# Allegro board CATALYST_NOZZLE_V1_2601.brd
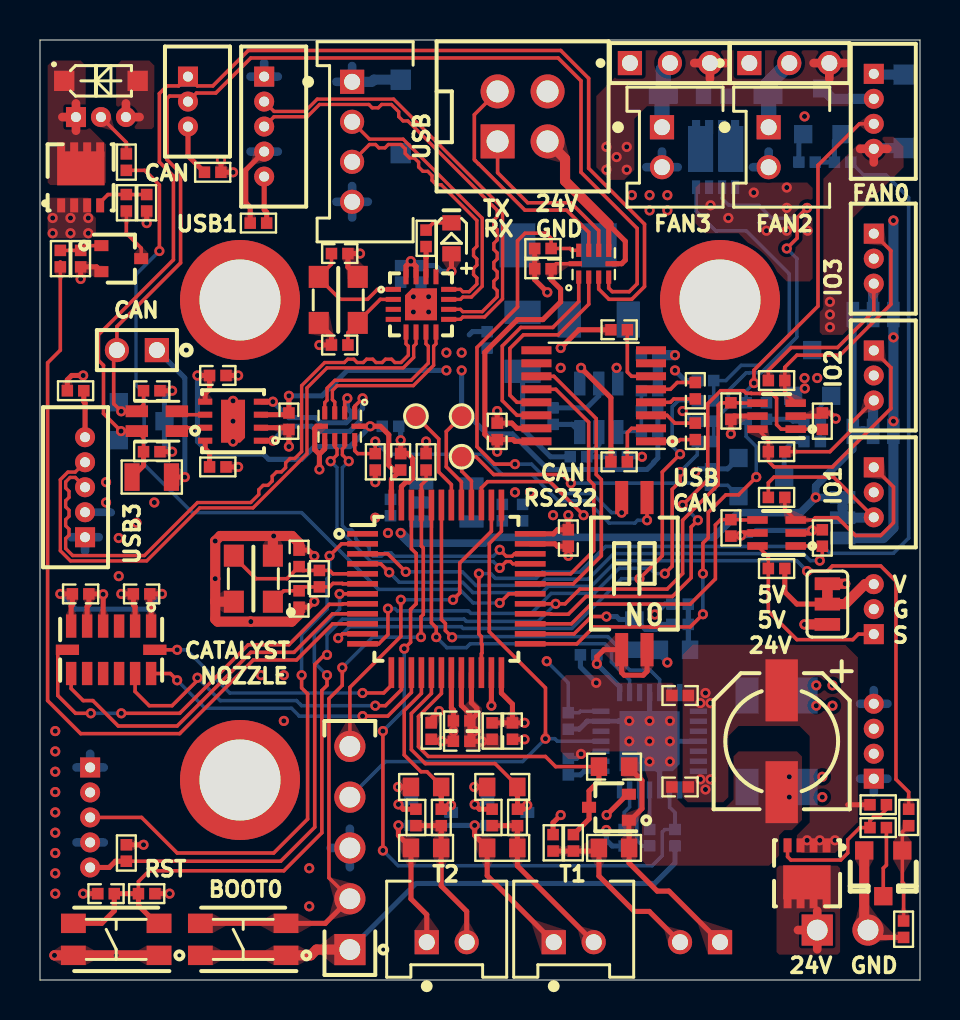
[diagram p0: board, top side]
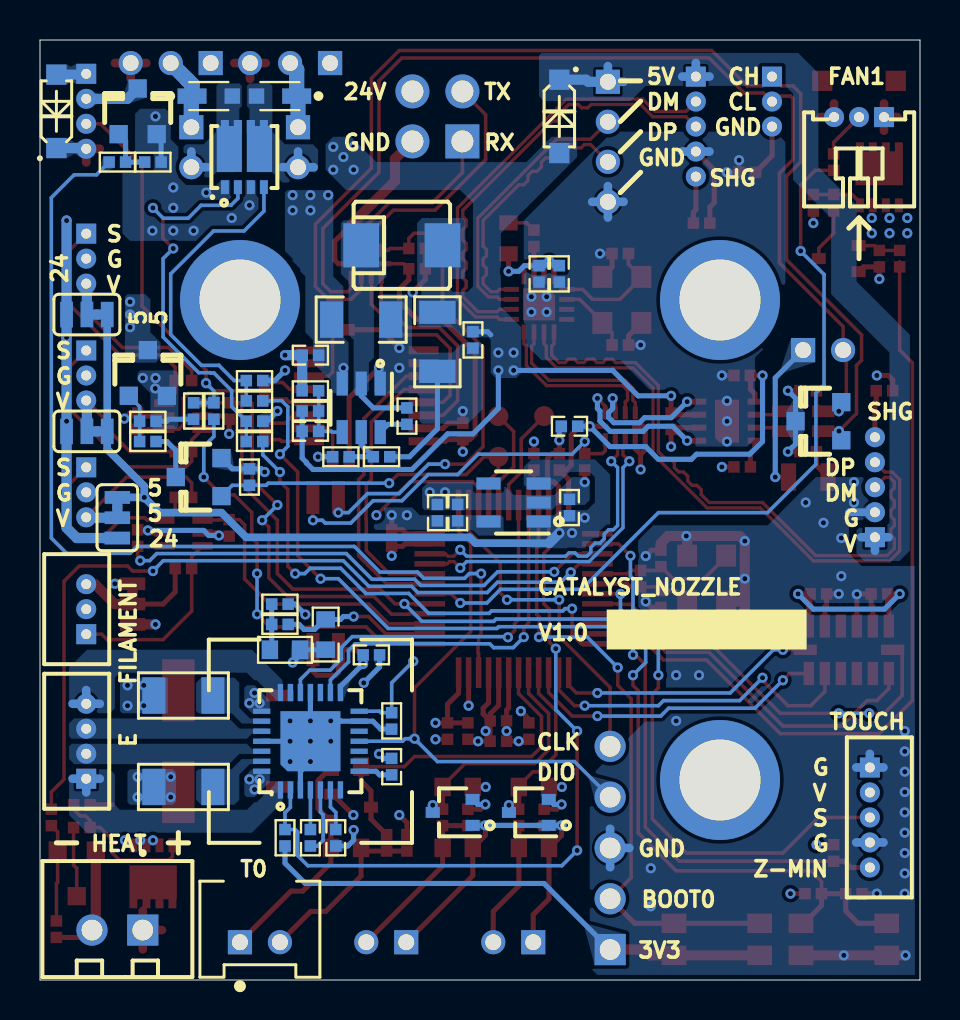
[diagram p1: board, bottom side, seen from below]

Outline 44 x 47 mm; copper layers: TOP, ART02, ART03, BOTTOM. Coordinates in mm from the lower left corner of the outline.
Outline path: 0,47 0,0 44,0 44,47 0,47

## Design rules (mm)
constraint set DEFAULT: min track width 0.178
net group DP1: nets DMU DPU
net group DP2: nets DM1 DP1
net group DP3: nets N00145 N00161
net group DP4: nets DM3 DP3
net group DP5: nets DM2 DP2

## Placement (name value [footprint] x y rotation side)
C1  100nF  [C0402]  25.65 28.19 90 bottom
C2  100nF  [C0402]  22.86 27.43 90 top
C3  NC  [C0402]  30.48 27.43 180 bottom
C4  10uF/35V  [C1206]  27.94 33.02 180 bottom
C5  100nF  [C0402]  28.96 25.91 180 top
C6  100nF  [C0402]  30.48 31.24 0 bottom
C7  47uF/6.3V  [C1206]  24.13 31.91 270 bottom
C8  100nF  [C0402]  22.35 32 270 bottom
C9  100nF  [C0402]  32.77 27.43 90 top
C10  100nF  [C0402]  28.96 32.51 180 top
C11  100nF  [C0402]  32.77 29.46 90 top
C12  10uF  [C0402]  17.53 23.62 90 bottom
C13  10uF  [C0402]  23.11 23.37 90 bottom
C14  100nF  [C0402]  24.13 23.37 90 bottom
C15  100nF  [C0402]  12.45 27.94 270 top
C16  100nF  [C0402]  8.89 30.23 0 top
C17  100pF  [C0402]  5.59 26.42 0 top
C18  100pF  [C0402]  5.59 29.46 0 top
C19  10uF  [C0402]  18.03 35.31 270 bottom
C20  100nF  [C0402]  19.05 35.31 270 bottom
C21  100nF  [C0402]  17.53 27.69 0 bottom
C22  12pF  [C0402]  14.99 36.32 0 top
C23  12pF  [C0402]  14.99 31.75 180 top
C24  100nF  [C0402]  2.03 19.3 0 top
C25  100nF  [C0402]  5.08 19.3 180 top
C26  100nF  [C0402]  3.3 4.32 180 top
C27  100nF  [C0402]  23.62 12.45 270 top
C28  100nF  [C0402]  26.42 22.1 270 top
C29  100nF  [C0402]  18.03 25.91 90 top
C30  100nF  [C0402]  21.08 12.95 180 top
C31  100nF  [C0402]  21.08 11.94 180 top
C32  10uF  [C0603]  29.72 17.27 270 bottom
C33  12pF  [C0402]  12.95 21.08 90 top
C34  12pF  [C0402]  12.95 19.05 270 top
C35  100nF  [C0402]  29.21 7.11 90 bottom
C36  100nF  [C0402]  32 9.65 180 top
C37  100nF  [C0402]  32 14.22 180 top
C38  100uF/35V  [CAPAE660X550DD200L250N]  37.08 11.94 270 top
C39  22nF  [C0402]  30.48 7.11 270 bottom
C40  4.7uF/6.3V  [C0402]  26.42 10.67 90 bottom
C41  100nF  [C0402]  27.43 16.26 180 bottom
C42  10uF  [C0603]  28.7 10.67 0 top
C43  10uF  [C0603]  23.11 9.65 180 top
C44  10uF  [C0603]  19.3 9.65 180 top
C45  100nF  [C0402]  25.15 35.56 180 top
D2  NUP2105LT1G  [SOT23]  5.08 27.94 90 bottom
D3  LED  [LED0603]  20.57 37.08 270 top
D4  SS14  [SOD123]  3.05 44.96 0 top
D5  SDB13LHT  [SOD-323HE]  35.56 44.2 180 bottom
D6  BAT54S  [SC-70_SOT323]  28.45 8.64 90 top
D8  BAT54S  [SC-70_SOT323]  23.37 8.38 90 bottom
D9  SDB13LHT  [SOD-323HE]  32 44.2 0 bottom
D11  BAT54S  [SC-70_SOT323]  19.56 8.38 90 bottom
D12  DIODE SCHOTTKY  [SOD123]  18.03 43.18 270 bottom
D13  SS14  [SOD123]  43.18 43.43 90 bottom
FB1  FB  [R0402]  1.78 29.46 0 top
FB2  FB  [R0402]  22.61 12.45 270 top
FB3  FB  [R0402]  19.56 12.45 270 top
FB4  FB  [R0402]  8.64 40.39 180 top
FB5  FB  [R0402]  10.92 37.85 0 top
J1  CON4  [HC-XHD254-2X2A]  22.88 44.43 270 top
J3  header_2  [PH200_HEADER_1X2]  5.84 31.5 180 top
J4  CON_4  [PH200_B4B-PH-K-S]  16.26 41.91 270 top
J6  header_5  [PH_HEADER-5X1_254P]  15.49 1.52 90 top
J8  CON4  [A1251WV_4P]  41.69 45.31 270 top
J9  CON3  [HC-125-3AW]  3.05 40.86 0 bottom
J10  JSTXH_2P  [XH254-2A]  38.86 2.5 0 bottom
J11  CON3  [A1251WV_3P]  41.69 17.29 90 bottom
J12  JSTXH_2P  [PH200_B2B-PH-K-S]  37.08 40.64 270 top
J13  JSTXH 2-R  [PH200_B2B-PH-K-S]  32 2.54 180 bottom
J14  CON3  [A1251WV_3P]  41.69 25.63 270 top
J15  JSTXH 2-R  [PH200_B2B-PH-K-S]  27.69 2.54 0 top
J16  JSTXH_2P  [PH200_B2B-PH-K-S]  31.75 40.64 270 top
J17  CON3  [A1251WV_3P]  41.69 31.48 270 top
J18  CON3  [A1251WV_3P]  41.69 37.32 270 top
J19  JSTXH 2-R  [PH200_B2B-PH-K-S]  21.34 2.54 0 top
J20  CON5  [A1251WV_5P]  2.51 10.63 270 bottom
J21  CON3  [A1251WV_3P]  7.4 45.17 270 top
J22  CON5  [A1251WV_5P]  2.25 22.14 90 top
J23  CON5  [A1251WV_5P]  11.21 45.17 270 top
J24  CON4  [A1251WV_4P]  41.69 10.06 90 bottom
J25  header_3  [PH200_HEADER_1X3]  35.47 45.85 0 top
J26  header_3  [PH200_HEADER_1X3]  29.5 45.85 0 top
JP1  JP_3  [AD-JUMPER-3-2OF3_NC_BY_PASTE3]  39.37 18.8 270 top
JP2  JP_3  [AD-JUMPER-3-2OF3_NC_BY_PASTE3]  40.13 23.11 270 bottom
JP3  JP_3  [AD-JUMPER-3-2OF3_NC_BY_PASTE3]  41.66 27.43 0 bottom
JP4  JP_3  [AD-JUMPER-3-2OF3_NC_BY_PASTE3]  41.66 33.27 0 bottom
L1  10uH/3.5A  [INDM_CKST0402]  25.91 36.74 180 bottom
L2  120R/100MHz  [INDS_ACM2012]  5.84 27.94 180 top
M1  -  [MTGP600H405]  10 34 0 top
M2  -  [MTGP600H405]  10 10 0 top
M3  -  [MTGP600H405]  34 34 0 top
N1  SHORT  [SHORT_W50]  39.37 19.3 90 top
N2  SHORT  [SHORT_W50]  40.13 23.62 90 bottom
N3  SHORT  [SHORT_W50]  41.15 27.43 180 bottom
N4  SHORT  [SHORT_W50]  41.15 33.27 180 bottom
NOREF  -  []  0 0 90 top
NOREF#2  -  []  0 47 0 top
NOREF#3  -  []  15.67 16.53 180 bottom
Q1  60P03  [DFN-8_065P330X330X110]  2.03 40.13 0 top
Q2  2N7002  [SC-70_SOT323]  4.06 36.07 270 top
Q3  60P03  [DFN-8_065P330X330X110]  38.35 5.33 180 top
Q4  BC817  [SOT23]  42.16 5.33 180 top
Q5  2N7002  [SOT23]  39.12 43.43 180 bottom
Q6  2N7002DW  [SOT363]  36.83 22.35 90 top
Q8  2N7002DW  [SOT363]  36.83 28.19 90 top
Q9  WSD4066DN  [DFN310X330X312-8N]  33.78 41.15 90 bottom
Q10  AO3401  [SOT23]  38.61 30.35 180 bottom
Q11  2N7002  [SOT23]  36.07 25.15 90 bottom
R1  100K  [R0402]  28.96 26.16 0 bottom
R2  100K/1%  [R0402]  30.48 28.45 0 bottom
R3  10K  [R0402]  26.92 26.16 0 bottom
R4  13.3K1%  [R0402]  30.48 29.46 180 bottom
R5  120R  [R0805]  5.59 25.15 180 top
R6  10K  [R0402]  8.89 25.65 0 top
R7  10K  [R0402]  16.76 25.91 90 top
R8  1K  [R0402]  19.3 37.08 90 top
R9  10K  [R0402]  19.3 25.91 90 top
R10  10K  [R0402]  5.33 4.32 180 top
R11  4.7K/0.1%  [R0402]  32 18.8 0 bottom
R12  1K  [R0402]  32 17.78 180 bottom
R13  1M  [R0402]  13.97 20.07 90 top
R14  20K  [R0402]  31.75 7.11 90 bottom
R15  0.15R  [R1206]  36.83 9.65 0 bottom
R16  20K  [R0402]  26.42 12.95 90 bottom
R17  0.15R  [R1206]  36.83 14.22 0 bottom
R18  100K  [R0402]  5.33 38.86 90 top
R19  100K  [R0402]  36.32 28.45 90 bottom
R20  100R  [R0402]  4.32 38.86 90 top
R21  100R  [R0402]  1.02 36.07 90 top
R22  10K  [R0402]  41.91 7.62 0 top
R23  10K  [R0402]  35.31 28.45 90 bottom
R24  10K  [R0402]  2.03 36.07 90 top
R25  100R  [R0402]  43.43 8.13 90 top
R26  100R  [R0402]  40.13 40.89 180 bottom
R27  10K  [R0402]  43.18 2.54 90 top
R28  10K  [R0402]  38.35 40.89 180 bottom
R29  100R  [R0402]  4.32 40.89 90 top
R30  4.7K  [R0402]  39.12 22.1 270 top
R31  10K  [R0402]  36.83 20.57 0 top
R33  4.7K/0.1%  [R0402]  25.65 6.86 270 top
R34  1K  [R0402]  26.67 6.86 90 top
R35  100R  [R0402]  33.27 26.92 0 bottom
R36  10K  [R0402]  33.27 27.94 0 bottom
R37  4.7K  [R0402]  34.54 22.61 90 top
R38  10K  [R0402]  36.83 24.13 180 top
R39  4.7K/0.1%  [R0402]  22.61 8.13 270 top
R40  1K  [R0402]  23.88 8.13 90 top
R42  4.7K  [R0402]  39.12 27.94 270 top
R43  10K  [R0402]  36.83 26.42 0 top
R44  100R  [R0402]  33.27 28.96 0 bottom
R45  10K  [R0402]  33.27 29.97 0 bottom
R46  4.7K/0.1%  [R0402]  18.8 8.13 270 top
R47  4.7K  [R0402]  34.54 28.45 90 top
R48  10K  [R0402]  36.83 29.97 180 top
R49  10K  [R0402]  4.32 6.35 270 top
R50  1K  [R0402]  20.07 8.13 90 top
R51  10K  [R0402]  25.15 36.58 0 top
R52  100K  [R0402]  38.61 27.94 0 bottom
R53  100K  [R0402]  41.91 8.76 180 top
R54  75K  [R0402]  38.61 26.92 180 bottom
R55  10K  [R0402]  33.53 25.15 90 bottom
RV1  VSR  [R0603]  31.75 16.51 0 bottom
RV2  VSR  [R0603]  28.7 6.6 180 top
RV3  VSR  [R0603]  23.11 6.6 0 top
RV4  VSR  [R0603]  19.3 6.6 0 top
SW1  BOOT0  [KEY-IPTG26K_280X400X190-4N]  10.16 2.03 90 top
SW2  RST  [KEY-IPTG26K_280X400X190-4N]  3.81 2.03 90 top
SW3  SW DIP-2  [DIP-SWITCH-2N_127P_SMD]  29.72 20.32 180 top
T1  Tpoint  [TPPAD_SMD_C100]  21.08 26.16 270 top
T2  Tpoint  [TPPAD_SMD_C100]  21.08 28.19 270 top
T3  Tpoint  [TPPAD_SMD_C100]  18.8 28.19 270 top
U2  SP3232EEY  [TSSOP-16_65P640X500X120]  27.69 29.21 90 top
U3  ME6217C33M5G  [SOT23-5]  20.32 23.88 90 bottom
U5  TS3USB221  [UQFN-10_P50_200X150X60L35X22N]  14.99 27.69 270 top
U6  CH334P  [QFN-16_P50_300X300X80L40X23T-1]  19.05 33.78 270 top
U7  ADXL345  [LGA-14_P80_300X500X100_1]  3.56 16.51 270 top
U8  STM32G431CBT6  [LQFP-48_050P900X900X160]  20.32 19.56 270 top
U9  TMC2209  [QFN-28_50P500X500X90-TMC220X]  30.48 11.94 180 bottom
U10  TPS54302  [SOT23-6]  27.94 28.61 0 bottom
U11  TS3USB221  [UQFN-10_P50_200X150X60L35X22N]  27.69 35.81 90 top
U12  SIT1044QTK/3  [DFN-8_065P300X300X80_1]  9.65 27.94 90 top
Y1  12Mhz  [SMD3225]  14.91 34.01 90 top
Y2  12Mhz  [SMD3225]  10.67 20.07 90 top

## Library data of the parts
C1-C3 C5-C37 C39-C45 = C
C4 = CAP
C38 = CAP POL
D2 = TVS_3P
D3 = LED
D4 D5 D9 D13 = DIODE
D6 D8 D11 = BAT54S
D12 = DIODE SCHOTTKY
FB1-FB5 = FB
J1 = CON4_0
J3 = header_2
J4 = CON_4
J6 = header_5
J8 J24 = CON4
J9 J11 J14 J17 J18 J21 = CON3
J10 J12 J16 = JSTXH_2P
J13 J15 J19 = CONN MOD 4-2_J_1
J20 J22 J23 = CON5
J25 J26 = header_3
JP1-JP4 = JP_0
L1 = INDUCTOR
L2 = INDUCTOR_COMM_0
M1-M3 = HOLE_MTGP600H405_HOLE
N1-N4 = SHORT
Q1 Q3 = P_MOS_HSBB6115
Q2 Q5 Q11 = NMOS
Q4 = NPN
Q6 Q8 = N_MOSX2
Q9 = WSD4066DN
Q10 = PMOS
R1-R31 R33-R40 R42-R55 = R
RV1-RV4 = VSR
SW1 SW2 = TC_KEY_4P
SW3 = SW DIP-2_1
T1-T3 = Tpoint
U2 = RS-232 Transceivers
U3 = AP2112-3_0.3V
U5 U11 = USB_SWITCH
U6 = CH334P
U7 = ADXL345
U8 = STM32G431CBT6_LFQF-48
U9 = TMC220X
U10 = TPS54302
U12 = CAN_FD_SIT1044QTK/3
Y1 Y2 = CRYSTAL_4P

## Footprints (pads in the part's own frame, mm; a bottom-side part is the same pattern mirrored in y, then rotated)
A1251WV_3P
  rect 1.001x1.001 hole 0.5: 1(0,0)
  round 1.001 hole 0.5: 2(1.25,0) 3(2.499,0)
A1251WV_4P
  rect 1.001x1.001 hole 0.5: 1(0,0)
  round 1.001 hole 0.5: 2(1.25,0) 3(2.499,0) 4(3.749,0)
A1251WV_5P
  rect 1.001x1.001 hole 0.5: 1(0,0)
  round 1.001 hole 0.5: 2(1.25,0) 3(2.499,0) 4(3.749,0) 5(5.001,0)
AD-JUMPER-3-2OF3_NC_BY_PASTE3
  rect 0.635x1.27 smd: 1(-1.016,0) 2(0,0) 3(1.016,0)
C0402
  rect 0.574x0.579 smd: 1(-0.411,0) 2(0.411,0)
C0603
  rect 0.82x0.93 smd: 1(-0.754,0) 2(0.754,0)
C1206
  rect 1.161x1.821 smd: 1(-1.476,0) 2(1.476,0)
CAPAE660X550DD200L250N
  rect 3.099x1.621 smd: 1(-2.545,0) 2(2.545,0)
DFN310X330X312-8N
  rect 0.691x0.399 smd: 1(-1.506,0.975) 2(-1.506,0.325) 3(-1.506,-0.325) 4(-1.506,-0.975) 6(1.506,-0.325) 7(1.506,0.325)
  custom 2.596x1.26 smd: 5(0.554,-0.754) 8(0.554,0.754)
DFN-8_065P300X300X80_1
  rect 0.3x0.711 smd: 1(-0.975,-1.394) 2(-0.325,-1.394) 3(0.325,-1.394) 4(0.975,-1.394) 5(0.975,1.394) 6(0.325,1.394) 7(-0.325,1.394) 8(-0.975,1.394)
  custom 2.149x1.199 smd: 9(0,0)
DFN-8_065P330X330X110
  rect 0.399x0.701 smd: 1(-0.975,-1.4) 2(-0.325,-1.4) 3(0.325,-1.4) 4(0.975,-1.4) 5(0.975,1.4) 6(0.325,1.4) 7(-0.325,1.4)
  custom 2.372x2.149 smd: 8(0.01,0.676)
DIP-SWITCH-2N_127P_SMD
  rect 0.65x1.659 smd: 1(-0.635,-3.802) 2(0.635,-3.802) 3(0.635,3.802) 4(-0.635,3.802)
HC-125-3AW
  rect 1.001x1.001 hole 0.5: 1(-1.25,-2.286)
  round 1.001 hole 0.5: 2(0,-2.286) 3(1.25,-2.286)
HC-XHD254-2X2A
  rect 1.699x1.699 hole 1.1: 1(2.499,0)
  round 1.699 hole 1.1: 2(2.499,2.499) 3(0,0) 4(0,2.499)
INDM_CKST0402
  rect 1.791x2.21 smd: 1(-2.035,0) 2(2.035,0)
INDS_ACM2012
  rect 1.12x0.589 smd: 1(-1.001,0.495) 2(1.001,0.495) 3(-1.001,-0.495) 4(1.001,-0.495)
KEY-IPTG26K_280X400X190-4N
  rect 0.97x1.24 smd: 1(-0.8,-2.141) 2(0.8,-2.141) 3(0.8,2.141) 4(-0.8,2.141)
LED0603
  rect 0.759x0.919 smd: 1(-0.775,0) 2(0.775,0)
LGA-14_P80_300X500X100_1
  rect 1.161x0.521 smd: 1(-1.186,1.999) 2(-1.186,1.199) 3(-1.186,0.399) 4(-1.186,-0.399) 5(-1.186,-1.199) 6(-1.186,-1.999) 8(1.186,-1.999) 9(1.186,-1.199) 10(1.186,-0.399) 11(1.186,0.399) 12(1.186,1.199) 13(1.186,1.999)
  rect 0.521x1.161 smd: 7(0,-2.184) 14(0,2.184)
LQFP-48_050P900X900X160
  rect 0.279x1.539 smd: 1(-2.751,-4.191) 2(-2.25,-4.191) 3(-1.75,-4.191) 4(-1.25,-4.191) 5(-0.749,-4.191) 6(-0.249,-4.191) 7(0.249,-4.191) 8(0.749,-4.191) 9(1.25,-4.191) 10(1.75,-4.191) 11(2.25,-4.191) 12(2.751,-4.191) 25(2.751,4.191) 26(2.25,4.191) 27(1.75,4.191) 28(1.25,4.191) 29(0.749,4.191) 30(0.249,4.191) 31(-0.249,4.191) 32(-0.749,4.191) 33(-1.25,4.191) 34(-1.75,4.191) 35(-2.25,4.191) 36(-2.751,4.191)
  rect 1.539x0.279 smd: 13(4.191,-2.751) 14(4.191,-2.25) 15(4.191,-1.75) 16(4.191,-1.25) 17(4.191,-0.749) 18(4.191,-0.249) 19(4.191,0.249) 20(4.191,0.749) 21(4.191,1.25) 22(4.191,1.75) 23(4.191,2.25) 24(4.191,2.751) 37(-4.191,2.751) 38(-4.191,2.25) 39(-4.191,1.75) 40(-4.191,1.25) 41(-4.191,0.749) 42(-4.191,0.249) 43(-4.191,-0.249) 44(-4.191,-0.749) 45(-4.191,-1.25) 46(-4.191,-1.75) 47(-4.191,-2.25) 48(-4.191,-2.751)
MTGP600H405
  round 5.999 hole 4.049: 1(0,0)
PH200_B2B-PH-K-S
  rect 1.209x1.209 hole 0.8: 1(-1.999,-0.65)
  round 1.209 hole 0.8: 2(0,-0.65)
PH200_B4B-PH-K-S
  rect 1.209x1.209 hole 0.8: 1(-3,-0.65)
  round 1.209 hole 0.8: 2(-1.001,-0.65) 3(1.001,-0.65) 4(3,-0.65)
PH200_HEADER_1X2
  rect 1.209x1.209 hole 0.8: 1(0,0)
  round 1.209 hole 0.8: 2(1.999,0)
PH200_HEADER_1X3
  rect 1.209x1.209 hole 0.8: 1(0,0)
  round 1.209 hole 0.8: 2(1.999,0) 3(4,0)
PH_HEADER-5X1_254P
  rect 1.56x1.56 hole 1.039: 1(0,0)
  round 1.56 hole 1.039: 2(2.54,0) 3(5.08,0) 4(7.62,0) 5(10.16,0)
QFN-16_P50_300X300X80L40X23T-1
  rect 0.249x0.759 smd: 1(-0.749,-1.384) 2(-0.249,-1.384) 3(0.249,-1.384) 4(0.749,-1.384) 9(0.749,1.384) 10(0.249,1.384) 11(-0.249,1.384) 12(-0.749,1.384)
  rect 0.759x0.249 smd: 5(1.384,-0.749) 6(1.384,-0.249) 7(1.384,0.249) 8(1.384,0.749) 13(-1.384,0.749) 14(-1.384,0.249) 15(-1.384,-0.249) 16(-1.384,-0.749)
  custom 1.6x1.6 smd: 17(0,0)
QFN-28_50P500X500X90-TMC220X
  rect 0.269x0.861 smd: 1(-1.501,-2.436) 2(-1.001,-2.436) 3(-0.5,-2.436) 4(0,-2.436) 5(0.5,-2.436) 6(1.001,-2.436) 7(1.501,-2.436) 15(1.501,2.436) 16(1.001,2.436) 17(0.5,2.436) 18(0,2.436) 19(-0.5,2.436) 20(-1.001,2.436) 21(-1.501,2.436)
  rect 0.861x0.269 smd: 8(2.436,-1.501) 9(2.436,-1.001) 10(2.436,-0.5) 11(2.436,0) 12(2.436,0.5) 13(2.436,1.001) 14(2.436,1.501) 22(-2.436,1.501) 23(-2.436,1.001) 24(-2.436,0.5) 25(-2.436,0) 26(-2.436,-0.5) 27(-2.436,-1.001) 28(-2.436,-1.501)
  custom 3.002x3.002 smd: 29(0,0)
R0402
  rect 0.574x0.579 smd: 1(-0.411,0) 2(0.411,0)
R0603
  rect 0.82x0.93 smd: 1(-0.754,0) 2(0.754,0)
R0805
  rect 0.759x1.379 smd: 1(-0.986,0) 2(0.986,0)
R1206
  rect 1.161x1.821 smd: 1(-1.476,0) 2(1.476,0)
SC-70_SOT323
  rect 0.551x0.701 smd: 1(-0.65,-0.996) 2(0.65,-0.996) 3(0,0.996)
SHORT_W50
  rect 0.5x0.5 smd: 1(-0.127,0) 2(0.127,0)
SMD3225
  rect 1.1x1.001 smd: 1(-1.151,-0.975) 2(1.151,-0.975) 3(1.151,0.975) 4(-1.151,0.975)
SOD123
  rect 1.016x1.016 smd: 1(-1.836,0) 2(1.836,0)
SOD-323HE
  rect 1.45x0.77 smd: 1(-0.838,0)
  rect 0.772x0.77 smd: 2(1.171,0)
SOT23
  rect 0.914x0.914 smd: 1(-0.953,-1.143) 2(0.953,-1.143) 3(0,1.143)
SOT23-5
  rect 0.61x1.209 smd: 1(-0.95,-1.255) 2(0,-1.255) 3(0.95,-1.255) 4(0.95,1.255) 5(-0.95,1.255)
SOT23-6
  rect 0.569x1.199 smd: 1(-0.95,-1.214) 2(0,-1.214) 3(0.95,-1.214) 4(0.95,1.214) 5(0,1.214) 6(-0.95,1.214)
SOT363
  rect 0.381x1.021 smd: 1(-0.65,-0.955) 2(0,-0.955) 3(0.65,-0.955) 4(0.65,0.955) 5(0,0.955) 6(-0.65,0.955)
TPPAD_SMD_C100
  round 1.001 smd: 1(0,0)
TSSOP-16_65P640X500X120
  rect 0.399x1.501 smd: 1(-2.276,-2.865) 2(-1.626,-2.865) 3(-0.975,-2.865) 4(-0.325,-2.865) 5(0.325,-2.865) 6(0.975,-2.865) 7(1.626,-2.865) 8(2.276,-2.865) 9(2.276,2.865) 10(1.626,2.865) 11(0.975,2.865) 12(0.325,2.865) 13(-0.325,2.865) 14(-0.975,2.865) 15(-1.626,2.865) 16(-2.276,2.865)
UQFN-10_P50_200X150X60L35X22N
  rect 0.66x0.257 smd: 1(-0.671,0.749) 2(-0.671,0.249) 3(-0.671,-0.249) 4(-0.671,-0.749) 6(0.671,-0.749) 7(0.671,-0.249) 8(0.671,0.249) 9(0.671,0.749)
  rect 0.257x0.66 smd: 5(0,-0.919) 10(0,0.919)
XH254-2A
  rect 1.56x1.56 hole 1.039: 1(0,0)
  round 1.56 hole 1.039: 2(2.54,0)

## Nets
3V3: C2.1 C13.1 C14.1 C16.1 C19.1 C20.1 C21.1 C24.1 C25.1 C27.1 C28.1 C29.1 C41.1 C45.1 D3.2 FB2.1 J6.1 Q6.2 Q6.5 Q8.2 Q8.5 R10.1 R14.1 R30.1 R37.1 R42.1 R47.1 R49.1 SW1.1 SW1.4 SW3.3(B2) SW3.4 U2.16(VCC) U3.5(OUT) U5.10(VCC) U6.15 U6.16 U7.1 U7.6(VS) U8.24 U8.36 U8.48 U9.15 U11.10(VCC) U12.5(VIO)
5VOUT: C40.1 U9.8
24V: C4.1 C6.1 C35.1 C36.1 C37.1 C38.1 J1.4 J25.1 J26.1 JP1.3 JP2.3 JP3.3 JP4.3 Q1.1 Q1.2 Q1.3(S3) Q3.1 Q3.2 Q3.3(S3) Q10.2 R1.2 R18.1 R19.1 R52.1 R53.2 U9.22 U9.28(VS_2) U10.3(VIN)
GND: C2.2 C4.2 C5.2 C6.2 C7.2 C8.2 C10.2 C12.2 C13.2 C14.2 C15.2 C16.2 C17.2 C18.2 C19.2 C20.2 C21.2 C22.2 C23.2 C24.2 C25.2 C26.2 C27.2 C28.2 C29.2 C33.2 C34.2 C36.2 C37.2 C38.2 C40.2 C41.2 C45.2 D2.3 D4.2 D13.2 FB1.1 FB3.1 FB4.1 FB5.1 J1.2 J4.4(A4) J6.3 J8.1 J9.3 J10.2 J11.2 J14.2 J17.2 J18.2 J20.1 J20.4 J22.2 J23.4 Q2.2 Q4.2(E) Q5.2 Q9.1 Q9.3(S2) Q11.2 R3.1 R4.1 R6.2 R7.1 R9.2 R15.2 R16.1 R17.2 R24.1 R27.1 R28.2 R36.1 R45.1 R51.1 R55.2 SW2.1 SW2.4 U2.15 U3.2 U5.5 U5.6 U6.17 U7.2 U7.4 U7.5 U8.23 U8.35 U8.47(VSS_3) U9.3 U9.13 U9.18 U9.25 U9.29 U10.1 U11.5 U11.6 U12.2 U12.9 Y1.2 Y1.4 Y2.2 Y2.4
VBUS: D12.1(CATHODE) J4.1 J22.1 J23.1
VDDA: C30.1 C31.1 D6.2(K) D8.2(K) D11.2(K) FB2.2 R11.1 R33.1 R39.1 R46.1 U8.20 U8.21
VSSA: C30.2 C31.2 C32.2 C42.2 C43.2 C44.2 D6.1 D8.1 D11.1 FB3.2 J13.1 J15.1 J19.1 RV1.1 RV2.1 RV3.1 RV4.1 U8.19
BOOT0: J6.2 R9.1 SW1.2 SW1.3 U8.45
CAN_RX: U5.2 U12.4
CAN_TX: U5.1 U12.1
CANH: C17.1 D2.1 J21.1 L2.2(4) R5.2 U11.3
CANL: C18.1 D2.2 J3.2 J21.2 L2.4 U11.4
DC_5V: C3.1 C7.1 C8.1 C12.1 C15.1 D12.2 J20.2 J25.3 J26.3 JP1.1 JP2.1 JP3.1 JP4.1 L1.2 N1.2(B) N2.2(B) N3.2(B) N4.2(B) R2.2 U3.1 U3.3 U12.3
DM1: J23.2 U6.9
DM2: U5.4 U6.7
DM3: J22.3 U6.5
DMU: J4.2 U6.11
DP1: J23.3 U6.10
DP2: U5.3 U6.8
DP3: J22.4 U6.6
DPU: J4.3 U6.12
FG: J8.3 R19.2 R23.2
MS1_AD0: U9.9
MS2_AD1: U9.10
OA1: J24.3 U9.24
OA2: J24.4 U9.21
OB1: J24.2 U9.26
OB2: J24.1 U9.1
OSC_IN: C33.1 R13.2 U8.5 Y2.3
OSC_OUT: C34.1 R13.1 U8.6 Y2.1
PA0_CS: U7.7 U8.8
PA1_INT: U7.8 U8.9
PA14: J6.5 U8.38
PANG: R8.1 U6.14
PWM: J8.2 Q5.3(3D)
R1IN: U2.13 U11.2
RX: J1.1 U11.7
SL1: R7.2 SW3.1 U5.9
SL2: R51.2 SW3.2 U11.9
SPI1_MISO: U7.12 U8.14
SPI1_MOSI: U7.13 U8.15
SPI1_SCK: U7.14 U8.13
SPI3_MISO: T2.1 U8.41
SPI3_MOSI: T3.1 U8.42
T1OUT: U2.14 U11.1
T_DR: C32.1 R12.2 U8.26
TX: J1.3 U11.8
XI: C23.1 U6.2 Y1.1
XO: C22.1 U6.1(XO) Y1.3
N00145: U5.7 U8.33
N00161: U5.8 U8.34
N00207: U2.11 U8.31
N00211: U2.12 U8.32
N00687: R14.2 U8.46 U9.2
N00693: U8.44 U9.16
N00699: U8.43 U9.19
N00703: R16.2 U8.39 U9.14
N00715: J6.4 U8.37 U9.11
N00855: C42.1 D6.3 R34.2 U8.18
N00961: C43.1 D8.3 R40.2 U8.17
N00967: C44.1 D11.3 R50.2 U8.16
N00973: R25.2 U8.4
N01005: Q6.1 R30.2 U8.3
N01009: Q6.4(S) R37.2 U8.27
N01013: Q8.1 R42.2 U8.28
N01023: J20.5 Q8.4(S) R47.2 R49.2 U8.29
N01029: R21.1 U8.10
N01033: R35.1 U8.12
N01037: R44.1 U8.11
N01047: J20.3 U8.2
N01059: R23.1 U8.25
N01063: R26.1 U8.22
N02435: R29.1 U8.30
N04404: Q11.1 R55.1 T1.1 U8.40
N439507: C35.2 U9.6
N439695: C39.1 U9.4
N439809: C39.2 U9.5
N439867: R15.1 U9.27
N440007: R17.1 U9.23
N445833: C26.1 R10.2 SW2.2 SW2.3 U8.7
N689158: D13.1(K) J8.4 Q10.3(3D)
N689549: Q5.1 R26.2 R28.1
N689742: J10.1 Q3.5 Q3.6 Q3.7 Q3.8
N689800: Q3.4 R22.1 R53.1
N690266: FB1.2 J22.5
N764204: C9.1 U2.1
N764248: C5.1 U2.2
N764252: C9.2 U2.3
N764276: C11.1 U2.4
N764288: C10.1 U2.6
N764308: C11.2 U2.5
N764590: J3.1 R5.1
N764618: L2.1 U12.7
N764670: L2.3 U12.6
N764674: R6.1 U12.8
N770206: Q4.3 R22.2
N770305: Q4.1 R25.1 R27.2
N770413: D5.1(K) J12.1 J25.2
N770422: D5.2 J12.2 Q9.7 Q9.8
N772272: C1.1 U10.6
N772280: C1.2 L1.1 U10.2
N772556: R1.1 R3.2 U10.5
N772576: C3.2 R2.1 R4.2 U10.4
N775102: J13.2 R33.2 R34.1 RV2.2(B)
N775754: J18.3 JP4.2 N4.1 R48.2
N775938: J18.1 Q8.3 R48.1
N776540: Q9.2 R35.2 R36.2
N777015: J17.3 JP3.2 N3.1 R43.2
N777197: J17.1 Q8.6 R43.1
N777329: J11.3 JP1.2 N1.1 R31.2
N777511: J11.1 Q6.6 R31.1
N777567: J14.3 JP2.2 N2.1 R38.2
N777749: J14.1 Q6.3 R38.1
N778463: D4.1(K) J9.1 Q1.5 Q1.6 Q1.7 Q1.8
N778579: J9.2 R29.2
N778917: Q1.4 R18.2 R20.2
N779031: Q2.3(3D) R20.1
N779411: Q2.1 R21.2 R24.2
N783622: R11.2 R12.1 RV1.2(B)
N788431: D9.1(K) J16.1 J26.2
N788507: D9.2 J16.2 Q9.5 Q9.6
N788599: Q9.4 R44.2 R45.2
N789519: J15.2 R39.2 R40.1 RV3.2(B)
N793044: J19.2 R46.2 R50.1 RV4.2(B)
N802487: FB4.2 J21.3
N802936: D3.1(CATHODE) R8.2
N804807: Q10.1 R52.2 R54.1
N805169: FB5.2 J23.5
N805999: Q11.3(3D) R54.2

Pads without a net: M1 1; M2 1; M3 1; U2 7 8 9 10; U3 4; U6 3 4 13; U7 3 9 10 11; U8 1; U9 7 12 17 20

## Via types
v1: diameter 0.508, hole 0.254, TOP to BOTTOM, 241 vias

## Routing (per net, layer and track width the routed paths; a pad name or vN(x,y) marks a point on that pad's centre or on a via; arc(x,y) is an arc through that point)
3V3: length 134.8
  TOP w0.178: U11.10 25.81,35.81 C45.1
  TOP w0.254: SW3.4 30.35,15.43 30.16,15.24 29.21,15.24 29.08,15.37 SW3.3 28.2,16.52 27.84,16.16 v1(27.84,15.81) ; U8.36 25.67,22.31 25.87,22.51 C28.1 v1(26.42,23.24) ; Q8.2 38.96,28.19 R42.1 39.5,28.35 v1(39.79,28.07) ; v1(7.87,30.23) C16.1 8.48,29.54 8.26,29.32 U12.5 ; v1(1.02,19.3) C24.1 1.62,18.76 1.56,18.7 U7.6 ; R37.1 35.02,22.19 v1(35.05,22.23) 35.18,22.35 Q6.5 ; D3.2 v1(20.57,35.43) ; R10.1 v1(6.48,4.32) ; U2.16 23.74,26.93 23.66,27.02 C2.1 ; v1(34.54,27.3) R47.1 34.7,28.19 Q8.5 ; U8.48 17.57,25.03 C29.1 17.68,25.5 17.44,25.74 17.44,27.26 17.02,27.69 v1(16.51,27.69) U5.10 ; C2.1 22.51,27.02 22.24,27.29 22.24,31.39 23.87,33.02 25.15,33.02 26.03,33.9 26.03,34.54 25.56,35.02 C45.1 ; C2.1 v1(22.86,26.42) ; C27.1 v1(24.23,12.86) ; C27.1 23.62,13.79 23.07,14.34 U8.24 ; C27.1 FB2.1 ; R49.1 v1(5.18,6.76) ; U6.15 18.8,35.68 v1(18.54,35.94) 18.3,35.7 U6.16 ; R30.1 38.64,22.51 v1(38.61,22.48) 38.48,22.35 Q6.2 ; U7.1 5.55,18.7 5.49,18.76 C25.1 v1(6.1,19.3)
  TOP w0.508: J6.1 13.83,1.52 13.54,1.23 SW1.1 SW1.4
  ART03 w0.254: v1(39.79,28.07) 38.23,26.51 38.23,23.37 38.61,22.99 v1(38.61,22.48)
  ART03 w0.381: v1(18.54,35.94) 17.02,37.47 8.51,37.47 6.48,35.43 6.48,32.64 7.87,31.24 v1(7.87,30.23)
  ART03 w0.432: 14.53,1.52 J6.1 ; J6.1 16.45,1.52 ; J6.1 15.49,2.48
  BOTTOM w0.254: C21.1 v1(16.51,27.69) 15.49,26.67 13.72,26.67 13.08,26.04 11.43,26.04 11.18,26.29 8.51,26.29 7.87,26.92 v1(7.87,30.23) ; C19.1 18.32,35.72 v1(18.54,35.94) 18.77,35.72 C20.1 19.78,35.72 20.07,35.43 v1(20.57,35.43) ; J6.1 18.8,4.83 30.73,4.83 31.75,5.84 R14.1 ; v1(6.1,19.3) 5.33,18.54 1.78,18.54 v1(1.02,19.3) ; v1(35.05,22.23) 35.56,22.23 35.81,22.48 v1(38.61,22.48) ; U9.15 28.98,14.67 v1(27.84,15.81) C41.1
  vias: v1(25.65,23.24)
5VOUT: length 1.7
  BOTTOM w0.254: U9.8 27.2,10.44 27.02,10.26 C40.1
24V: length 44.7
  TOP w0.254: R53.2 40.39,8.76 ; R18.1 v1(5.33,37.85)
  TOP w0.508: JP1.3 v1(38.23,17.78)
  ART03 w0.254: v1(33.27,9.53) 31.25,7.5 v1(28.32,7.5) ; v1(30.1,26.16) 30.1,29.34 v1(28.83,30.61)
  ART03 w0.432: J1.4 26.41,44.43 ; J1.4 25.38,45.46 ; J1.4 24.35,44.43 ; J1.4 25.38,43.4 ; 34.68,45.85 J25.1 ; J25.1 35.47,45.06 ; J25.1 36.25,45.85 ; 28.71,45.85 J26.1 ; J26.1 30.28,45.85 ; J26.1 29.5,45.06
  BOTTOM w0.254: v1(28.32,7.5) 28.32,6.99 28.61,6.7 C35.1 ; R52.1 37.66,27.94 37.56,28.04 R19.1 ; R1.2 v1(30.1,26.16)
  BOTTOM w0.508: JP2.3 42.16,22.1 42.67,22.61 JP3.3 v1(42.67,27.94) v1(42.67,32.13) JP4.3 v1(42.67,37.97)
  vias: v1(0.64,38.1) v1(0.64,37.34) v1(1.52,38.1) v1(1.52,37.34) v1(2.41,38.1) v1(2.41,37.34) v1(29.59,39.24) v1(30.48,39.24) v1(30.48,38.48) v1(31.37,39.24) v1(31.37,38.48) v1(33.02,13.84) v1(33.02,10.03) v1(33.27,14.35) v1(33.53,13.84) v1(33.53,10.03) v1(38.23,30.1) v1(38.24,29.58) v1(38.35,6.99) v1(38.86,30.1) v1(38.99,6.99) v1(39.75,6.99)